# Altium PCB EDA-03518-V3-0_pcb.pcbdoc (part 6 of 14)
Units mm, origin at the board's own origin, x right, y up, seen from the top; angles counter-clockwise.
Board outline 220 x 230 mm, 8 copper layers (Top Layer, L2P, L3, L4P, L5P, L6, L7P, Bottom Layer), stack 2.18 mm thick; 1190 components, 1445 nets, 5955 pads, 2149 vias.
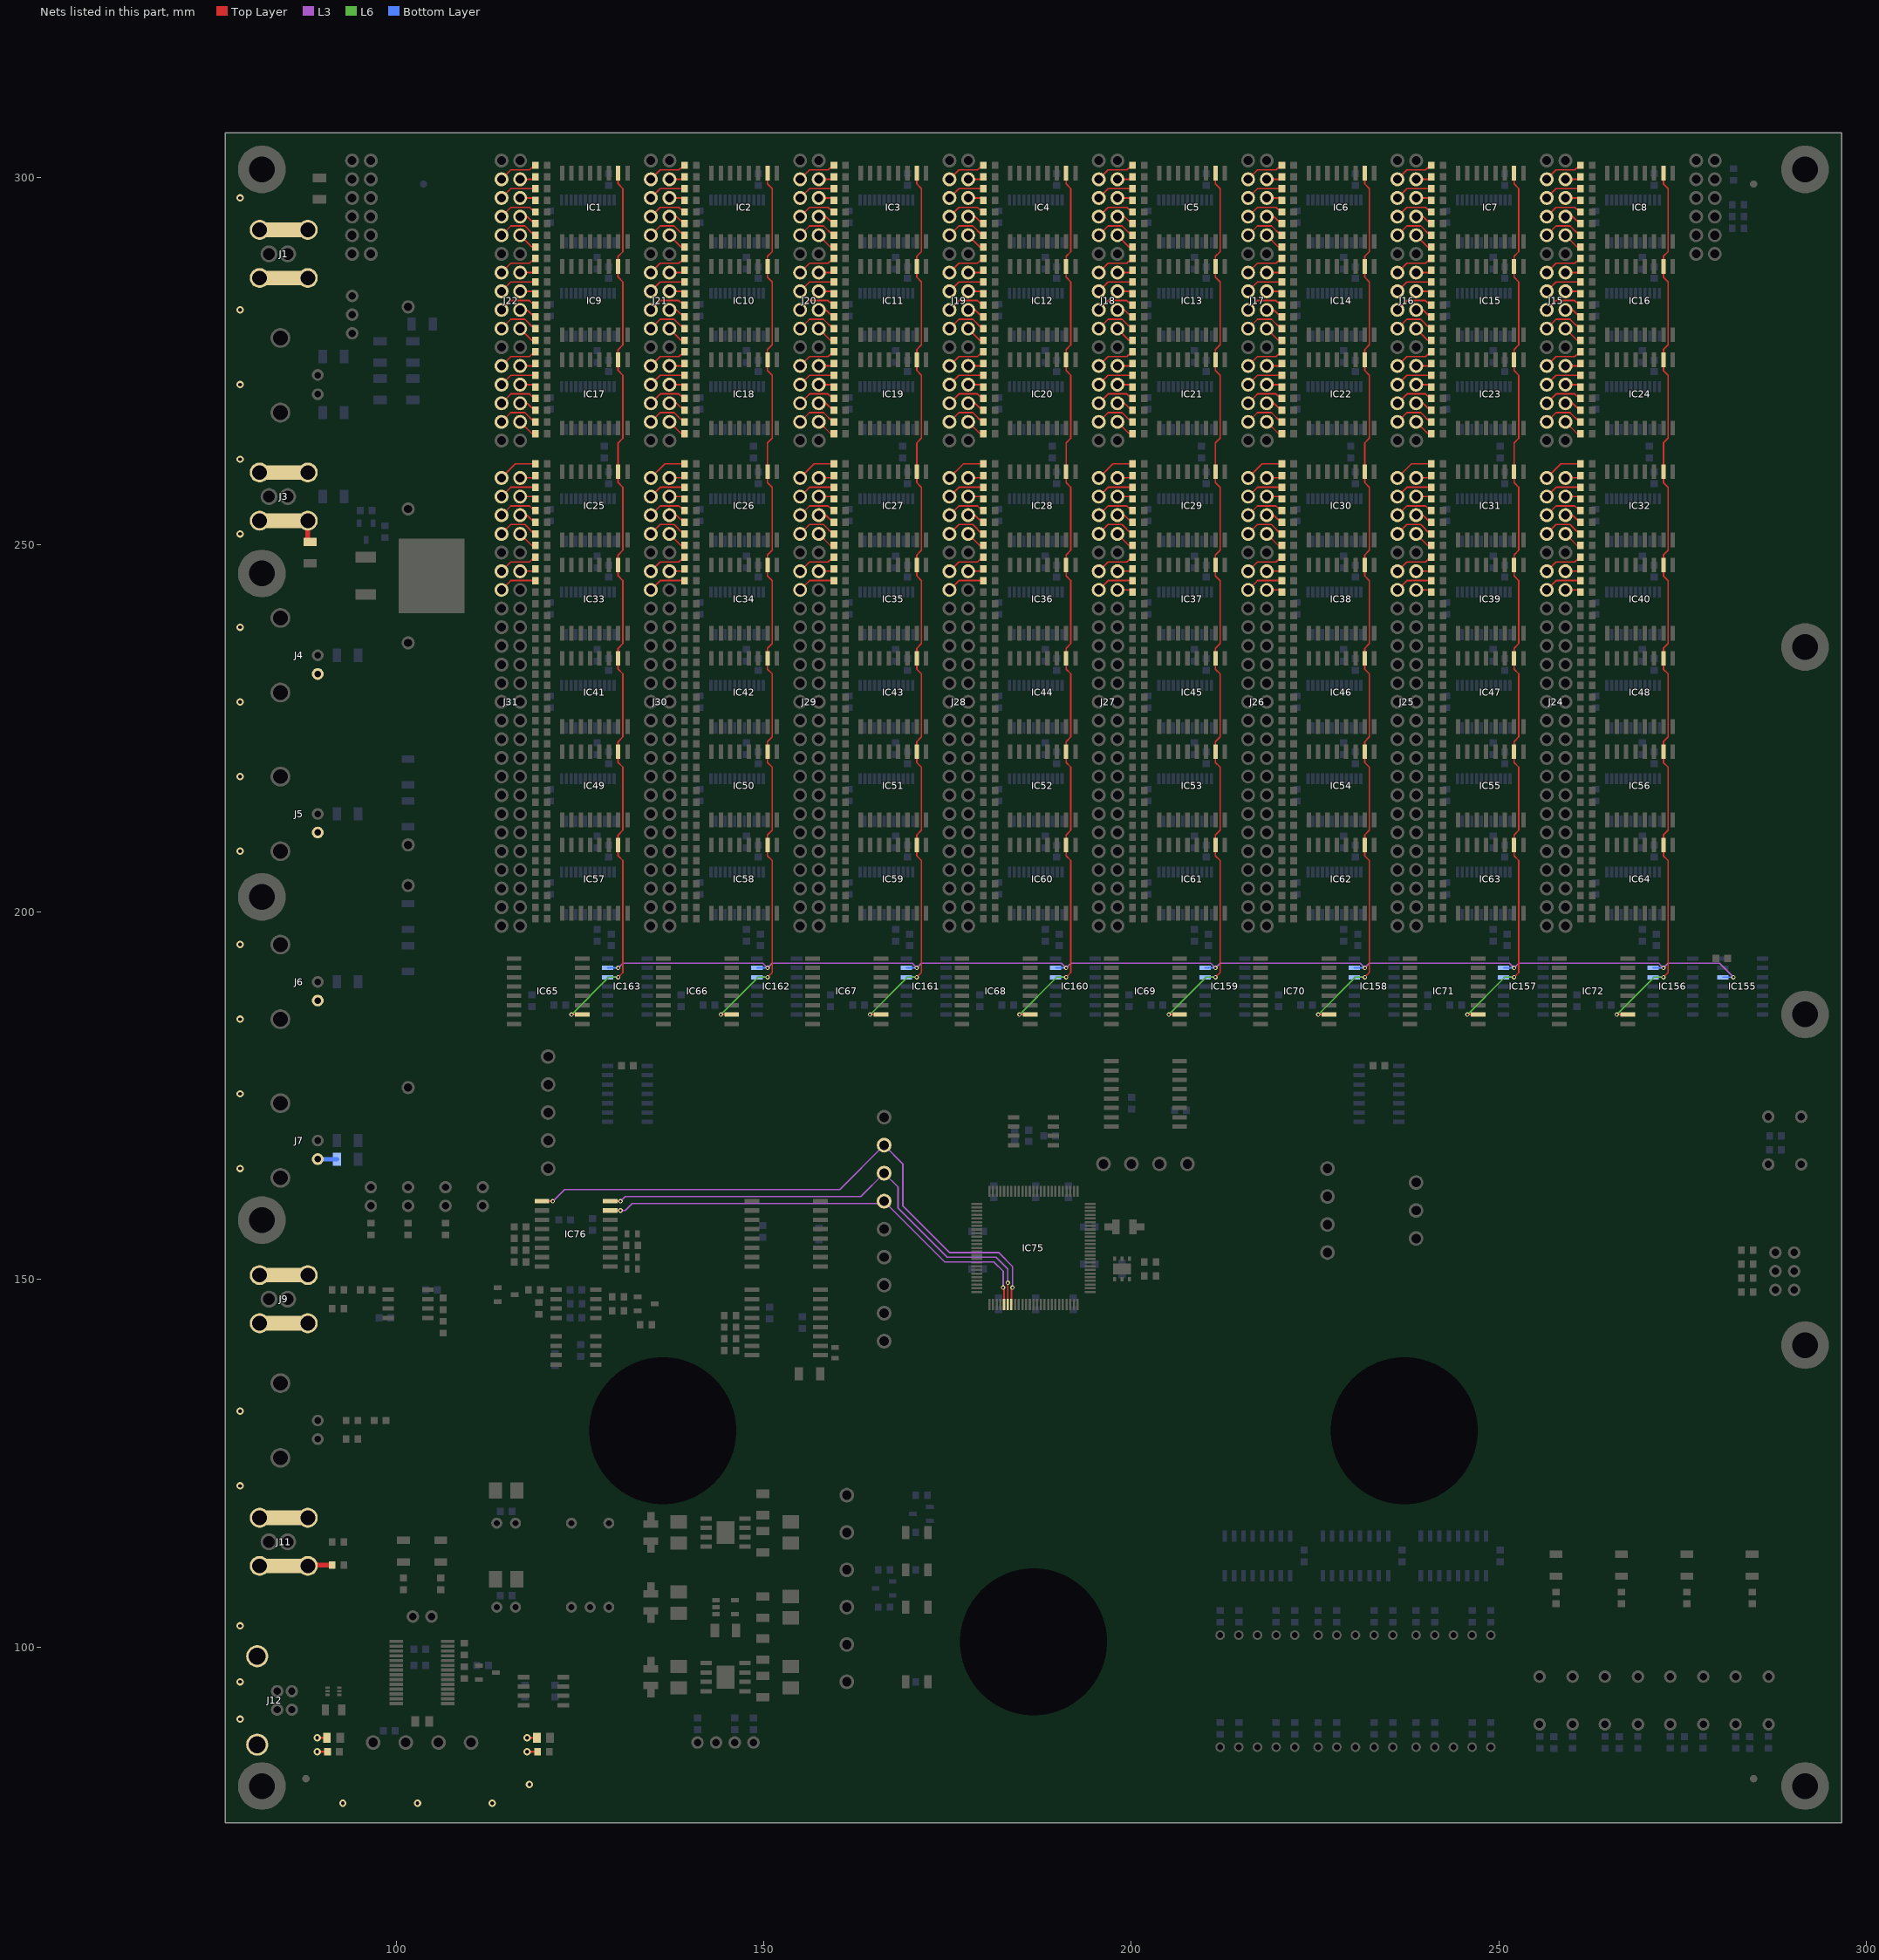
[diagram p12: the nets of this part, all layers, seen from the top]

## Via types
v1: diameter 0.6, hole 0.3, Top Layer to Bottom Layer, tented both sides, 1995 vias
v2: diameter 1, hole 0.5, Top Layer to Bottom Layer, tented both sides, 154 vias

## Nets (pads, with @x,y where several pads share a name; then routed paths per layer and width w, separated by ;. In a path a pad name is that pad's centre, name@x,y a point inside that pad or via, vN(x,y) a via of type N, cw(c..) or ccw(c..) an arc to the next point about the centre after c; other vN are vias at no path point) (continued)
C34_5: J27.37 R287.1 | length 2.2
  Top Layer w0.203: J27.37@198.12,243.84 199.86,243.84 R287.1@200.177,243.522
C34_6: J26.37 R288.1 | length 2.2
  Top Layer w0.203: J26.37@218.44,243.84 220.18,243.84 R288.1@220.497,243.522
C34_7: J25.37 R289.1 | length 2.2
  Top Layer w0.203: J25.37@238.76,243.84 240.5,243.84 R289.1@240.817,243.522
C34_8: J24.37 R290.1 | length 2.2
  Top Layer w0.203: J24.37@259.08,243.84 260.82,243.84 R290.1@261.137,243.522
C35_1: J31.38 R275.1 | length 5.1
  Top Layer w0.203: J31.38@114.3,243.84 115.57,245.11 R275.1@118.897,245.11
C35_2: J30.38 R276.1 | length 5.1
  Top Layer w0.203: J30.38@134.62,243.84 135.89,245.11 R276.1@139.217,245.11
C35_3: J29.38 R277.1 | length 5.1
  Top Layer w0.203: J29.38@154.94,243.84 156.21,245.11 R277.1@159.537,245.11
C35_4: J28.38 R278.1 | length 5.1
  Top Layer w0.203: J28.38@175.26,243.84 176.53,245.11 R278.1@179.857,245.11
C35_5: J27.38 R279.1 | length 5.1
  Top Layer w0.203: J27.38@195.58,243.84 196.85,245.11 R279.1@200.177,245.11
C35_6: J26.38 R280.1 | length 5.1
  Top Layer w0.203: J26.38@215.9,243.84 217.17,245.11 R280.1@220.497,245.11
C35_7: J25.38 R281.1 | length 5.1
  Top Layer w0.203: J25.38@236.22,243.84 237.49,245.11 R281.1@240.817,245.11
C35_8: J24.38 R282.1 | length 5.1
  Top Layer w0.203: J24.38@256.54,243.84 257.81,245.11 R282.1@261.137,245.11
C36_1: J31.39 R267.1 | length 2.2
  Top Layer w0.203: J31.39@116.84,246.38 118.58,246.38 R267.1@118.897,246.697
C36_2: J30.39 R268.1 | length 2.2
  Top Layer w0.203: J30.39@137.16,246.38 138.9,246.38 R268.1@139.217,246.697
C36_3: J29.39 R269.1 | length 2.2
  Top Layer w0.203: J29.39@157.48,246.38 159.22,246.38 R269.1@159.537,246.697
C36_4: J28.39 R270.1 | length 2.2
  Top Layer w0.203: J28.39@177.8,246.38 179.54,246.38 R270.1@179.857,246.697
C36_5: J27.39 R271.1 | length 2.2
  Top Layer w0.203: J27.39@198.12,246.38 199.86,246.38 R271.1@200.177,246.697
C36_6: J26.39 R272.1 | length 2.2
  Top Layer w0.203: J26.39@218.44,246.38 220.18,246.38 R272.1@220.497,246.697
C36_7: J25.39 R273.1 | length 2.2
  Top Layer w0.203: J25.39@238.76,246.38 240.5,246.38 R273.1@240.817,246.697
C36_8: J24.39 R274.1 | length 2.2
  Top Layer w0.203: J24.39@259.08,246.38 260.82,246.38 R274.1@261.137,246.697
C37_1: J31.40 R259.1 | length 5.4
  Top Layer w0.203: J31.40@114.3,246.38 115.57,247.65 118.11,247.65 118.745,248.285 R259.1@118.897,248.285
C37_2: J30.40 R260.1 | length 5.4
  Top Layer w0.203: J30.40@134.62,246.38 135.89,247.65 138.43,247.65 139.065,248.285 R260.1@139.217,248.285
C37_3: J29.40 R261.1 | length 5.4
  Top Layer w0.203: J29.40@154.94,246.38 156.21,247.65 158.75,247.65 159.385,248.285 R261.1@159.537,248.285
C37_4: J28.40 R262.1 | length 5.4
  Top Layer w0.203: J28.40@175.26,246.38 176.53,247.65 179.07,247.65 179.705,248.285 R262.1@179.857,248.285
C37_5: J27.40 R263.1 | length 5.4
  Top Layer w0.203: J27.40@195.58,246.38 196.85,247.65 199.39,247.65 200.025,248.285 R263.1@200.177,248.285
C37_6: J26.40 R264.1 | length 5.4
  Top Layer w0.203: J26.40@215.9,246.38 217.17,247.65 219.71,247.65 220.345,248.285 R264.1@220.497,248.285
C37_7: J25.40 R265.1 | length 5.4
  Top Layer w0.203: J25.40@236.22,246.38 237.49,247.65 240.03,247.65 240.665,248.285 R265.1@240.817,248.285
C37_8: J24.40 R266.1 | length 5.4
  Top Layer w0.203: J24.40@256.54,246.38 257.81,247.65 260.35,247.65 260.985,248.285 R266.1@261.137,248.285
C40_1: J31.43 R251.1 | length 2.7
  Top Layer w0.203: J31.43@116.84,251.46 118.428,249.873 R251.1@118.897,249.873
C40_2: J30.43 R252.1 | length 2.7
  Top Layer w0.203: J30.43@137.16,251.46 138.748,249.873 R252.1@139.217,249.873
C40_3: J29.43 R253.1 | length 2.7
  Top Layer w0.203: J29.43@157.48,251.46 159.068,249.873 R253.1@159.537,249.873
C40_4: J28.43 R254.1 | length 2.7
  Top Layer w0.203: J28.43@177.8,251.46 179.388,249.873 R254.1@179.857,249.873
C40_5: J27.43 R255.1 | length 2.7
  Top Layer w0.203: J27.43@198.12,251.46 199.708,249.873 R255.1@200.177,249.873
C40_6: J26.43 R256.1 | length 2.7
  Top Layer w0.203: J26.43@218.44,251.46 220.028,249.873 R256.1@220.497,249.873
C40_7: J25.43 R257.1 | length 2.7
  Top Layer w0.203: J25.43@238.76,251.46 240.348,249.873 R257.1@240.817,249.873
C40_8: J24.43 R258.1 | length 2.7
  Top Layer w0.203: J24.43@259.08,251.46 260.668,249.873 R258.1@261.137,249.873
C41_1: J31.44 R242.1 | length 5.6
  Top Layer w0.203: J31.44@114.3,251.46 115.57,252.73 117.475,252.73 118.745,251.46 R242.1@118.897,251.46
C41_2: J30.44 R243.1 | length 5.6
  Top Layer w0.203: J30.44@134.62,251.46 135.89,252.73 137.795,252.73 139.065,251.46 R243.1@139.217,251.46
C41_3: J29.44 R244.1 | length 5.6
  Top Layer w0.203: J29.44@154.94,251.46 156.21,252.73 158.115,252.73 159.385,251.46 R244.1@159.537,251.46
C41_4: J28.44 R245.1 | length 5.6
  Top Layer w0.203: J28.44@175.26,251.46 176.53,252.73 178.435,252.73 179.705,251.46 R245.1@179.857,251.46
C41_5: J27.44 R246.1 | length 5.6
  Top Layer w0.203: J27.44@195.58,251.46 196.85,252.73 198.755,252.73 200.025,251.46 R246.1@200.177,251.46
C41_6: J26.44 R247.1 | length 5.6
  Top Layer w0.203: J26.44@215.9,251.46 217.17,252.73 219.075,252.73 220.345,251.46 R247.1@220.497,251.46
C41_7: J25.44 R248.1 | length 5.6
  Top Layer w0.203: J25.44@236.22,251.46 237.49,252.73 239.395,252.73 240.665,251.46 R248.1@240.817,251.46
C41_8: J24.44 R249.1 | length 5.6
  Top Layer w0.203: J24.44@256.54,251.46 257.81,252.73 259.715,252.73 260.985,251.46 R249.1@261.137,251.46
C42_1: J31.45 R234.1 | length 2.5
  Top Layer w0.203: J31.45@116.84,254 117.792,254 118.745,253.047 R234.1@118.897,253.047
C42_2: J30.45 R235.1 | length 2.5
  Top Layer w0.203: J30.45@137.16,254 138.112,254 139.065,253.047 R235.1@139.217,253.047
C42_3: J29.45 R236.1 | length 2.5
  Top Layer w0.203: J29.45@157.48,254 158.432,254 159.385,253.047 R236.1@159.537,253.047
C42_4: J28.45 R237.1 | length 2.5
  Top Layer w0.203: J28.45@177.8,254 178.752,254 179.705,253.047 R237.1@179.857,253.047
C42_5: J27.45 R238.1 | length 2.5
  Top Layer w0.203: J27.45@198.12,254 199.072,254 200.025,253.047 R238.1@200.177,253.047
C42_6: J26.45 R239.1 | length 2.5
  Top Layer w0.203: J26.45@218.44,254 219.392,254 220.345,253.047 R239.1@220.497,253.047
C42_7: J25.45 R240.1 | length 2.5
  Top Layer w0.203: J25.45@238.76,254 239.712,254 240.665,253.047 R240.1@240.817,253.047
C42_8: J24.45 R241.1 | length 2.5
  Top Layer w0.203: J24.45@259.08,254 260.032,254 260.985,253.047 R241.1@261.137,253.047
C43_1: J31.46 R226.1 | length 5.4
  Top Layer w0.203: J31.46@114.3,254 115.57,255.27 118.11,255.27 118.745,254.635 R226.1@118.897,254.635
C43_2: J30.46 R227.1 | length 5.4
  Top Layer w0.203: J30.46@134.62,254 135.89,255.27 138.43,255.27 139.065,254.635 R227.1@139.217,254.635
C43_3: J29.46 R228.1 | length 5.4
  Top Layer w0.203: J29.46@154.94,254 156.21,255.27 158.75,255.27 159.385,254.635 R228.1@159.537,254.635
C43_4: J28.46 R229.1 | length 5.4
  Top Layer w0.203: J28.46@175.26,254 176.53,255.27 179.07,255.27 179.705,254.635 R229.1@179.857,254.635
C43_5: J27.46 R230.1 | length 5.4
  Top Layer w0.203: J27.46@195.58,254 196.85,255.27 199.39,255.27 200.025,254.635 R230.1@200.177,254.635
C43_6: J26.46 R231.1 | length 5.4
  Top Layer w0.203: J26.46@215.9,254 217.17,255.27 219.71,255.27 220.345,254.635 R231.1@220.497,254.635
C43_7: J25.46 R232.1 | length 5.4
  Top Layer w0.203: J25.46@236.22,254 237.49,255.27 240.03,255.27 240.665,254.635 R232.1@240.817,254.635
C43_8: J24.46 R233.1 | length 5.4
  Top Layer w0.203: J24.46@256.54,254 257.81,255.27 260.35,255.27 260.985,254.635 R233.1@261.137,254.635
C44_1: J31.47 R218.1 | length 2.2
  Top Layer w0.203: J31.47@116.84,256.54 118.58,256.54 R218.1@118.897,256.222
C44_2: J30.47 R219.1 | length 2.2
  Top Layer w0.203: J30.47@137.16,256.54 138.9,256.54 R219.1@139.217,256.222
C44_3: J29.47 R220.1 | length 2.2
  Top Layer w0.203: J29.47@157.48,256.54 159.22,256.54 R220.1@159.537,256.222
C44_4: J28.47 R221.1 | length 2.2
  Top Layer w0.203: J28.47@177.8,256.54 179.54,256.54 R221.1@179.857,256.222
C44_5: J27.47 R222.1 | length 2.2
  Top Layer w0.203: J27.47@198.12,256.54 199.86,256.54 R222.1@200.177,256.222
C44_6: J26.47 R223.1 | length 2.2
  Top Layer w0.203: J26.47@218.44,256.54 220.18,256.54 R223.1@220.497,256.222
C44_7: J25.47 R224.1 | length 2.2
  Top Layer w0.203: J25.47@238.76,256.54 240.5,256.54 R224.1@240.817,256.222
C44_8: J24.47 R225.1 | length 2.2
  Top Layer w0.203: J24.47@259.08,256.54 260.82,256.54 R225.1@261.137,256.222
C45_1: J31.48 R210.1 | length 5.1
  Top Layer w0.203: J31.48@114.3,256.54 115.57,257.81 R210.1@118.897,257.81
C45_2: J30.48 R211.1 | length 5.1
  Top Layer w0.203: J30.48@134.62,256.54 135.89,257.81 R211.1@139.217,257.81
C45_3: J29.48 R212.1 | length 5.1
  Top Layer w0.203: J29.48@154.94,256.54 156.21,257.81 R212.1@159.537,257.81
C45_4: J28.48 R213.1 | length 5.1
  Top Layer w0.203: J28.48@175.26,256.54 176.53,257.81 R213.1@179.857,257.81
C45_5: J27.48 R214.1 | length 5.1
  Top Layer w0.203: J27.48@195.58,256.54 196.85,257.81 R214.1@200.177,257.81
C45_6: J26.48 R215.1 | length 5.1
  Top Layer w0.203: J26.48@215.9,256.54 217.17,257.81 R215.1@220.497,257.81
C45_7: J25.48 R216.1 | length 5.1
  Top Layer w0.203: J25.48@236.22,256.54 237.49,257.81 R216.1@240.817,257.81
C45_8: J24.48 R217.1 | length 5.1
  Top Layer w0.203: J24.48@256.54,256.54 257.81,257.81 R217.1@261.137,257.81
C46_1: J31.49 R202.1 | length 2.2
  Top Layer w0.203: J31.49@116.84,259.08 118.58,259.08 R202.1@118.897,259.397
C46_2: J30.49 R203.1 | length 2.2
  Top Layer w0.203: J30.49@137.16,259.08 138.9,259.08 R203.1@139.217,259.397
C46_3: J29.49 R204.1 | length 2.2
  Top Layer w0.203: J29.49@157.48,259.08 159.22,259.08 R204.1@159.537,259.397
C46_4: J28.49 R205.1 | length 2.2
  Top Layer w0.203: J28.49@177.8,259.08 179.54,259.08 R205.1@179.857,259.397
C46_5: J27.49 R206.1 | length 2.2
  Top Layer w0.203: J27.49@198.12,259.08 199.86,259.08 R206.1@200.177,259.397
C46_6: J26.49 R207.1 | length 2.2
  Top Layer w0.203: J26.49@218.44,259.08 220.18,259.08 R207.1@220.497,259.397
C46_7: J25.49 R208.1 | length 2.2
  Top Layer w0.203: J25.49@238.76,259.08 240.5,259.08 R208.1@240.817,259.397
C46_8: J24.49 R209.1 | length 2.2
  Top Layer w0.203: J24.49@259.08,259.08 260.82,259.08 R209.1@261.137,259.397
C47_1: J31.50 R194.1 | length 5.4
  Top Layer w0.203: J31.50@114.3,259.08 116.205,260.985 R194.1@118.897,260.985
C47_2: J30.50 R195.1 | length 5.4
  Top Layer w0.203: J30.50@134.62,259.08 136.525,260.985 R195.1@139.217,260.985
C47_3: J29.50 R196.1 | length 5.4
  Top Layer w0.203: J29.50@154.94,259.08 156.845,260.985 R196.1@159.537,260.985
C47_4: J28.50 R197.1 | length 5.4
  Top Layer w0.203: J28.50@175.26,259.08 177.165,260.985 R197.1@179.857,260.985
C47_5: J27.50 R198.1 | length 5.4
  Top Layer w0.203: J27.50@195.58,259.08 197.485,260.985 R198.1@200.177,260.985
C47_6: J26.50 R199.1 | length 5.4
  Top Layer w0.203: J26.50@215.9,259.08 217.805,260.985 R199.1@220.497,260.985
C47_7: J25.50 R200.1 | length 5.4
  Top Layer w0.203: J25.50@236.22,259.08 238.125,260.985 R200.1@240.817,260.985
C47_8: J24.50 R201.1 | length 5.4
  Top Layer w0.203: J24.50@256.54,259.08 258.445,260.985 R201.1@261.137,260.985
C50_1: J22.3 R186.1 | length 2.7
  Top Layer w0.203: J22.3@116.84,266.7 118.428,265.113 R186.1@118.897,265.113
C50_2: J21.3 R187.1 | length 2.7
  Top Layer w0.203: J21.3@137.16,266.7 138.748,265.113 R187.1@139.217,265.113
C50_3: J20.3 R188.1 | length 2.7
  Top Layer w0.203: J20.3@157.48,266.7 159.068,265.113 R188.1@159.537,265.113
C50_4: J19.3 R189.1 | length 2.7
  Top Layer w0.203: J19.3@177.8,266.7 179.388,265.113 R189.1@179.857,265.113
C50_5: J18.3 R190.1 | length 2.7
  Top Layer w0.203: J18.3@198.12,266.7 199.708,265.113 R190.1@200.177,265.113
C50_6: J17.3 R191.1 | length 2.7
  Top Layer w0.203: J17.3@218.44,266.7 220.028,265.113 R191.1@220.497,265.113
C50_7: J16.3 R192.1 | length 2.7
  Top Layer w0.203: J16.3@238.76,266.7 240.348,265.113 R192.1@240.817,265.113
C50_8: J15.3 R193.1 | length 2.7
  Top Layer w0.203: J15.3@259.08,266.7 260.668,265.113 R193.1@261.137,265.113
C51_1: J22.4 R178.1 | length 5.6
  Top Layer w0.203: J22.4@114.3,266.7 115.57,267.97 117.475,267.97 118.745,266.7 R178.1@118.897,266.7
C51_2: J21.4 R179.1 | length 5.6
  Top Layer w0.203: J21.4@134.62,266.7 135.89,267.97 137.795,267.97 139.065,266.7 R179.1@139.217,266.7
C51_3: J20.4 R180.1 | length 5.6
  Top Layer w0.203: J20.4@154.94,266.7 156.21,267.97 158.115,267.97 159.385,266.7 R180.1@159.537,266.7
C51_4: J19.4 R181.1 | length 5.6
  Top Layer w0.203: J19.4@175.26,266.7 176.53,267.97 178.435,267.97 179.705,266.7 R181.1@179.857,266.7
C51_5: J18.4 R182.1 | length 5.6
  Top Layer w0.203: J18.4@195.58,266.7 196.85,267.97 198.755,267.97 200.025,266.7 R182.1@200.177,266.7
C51_6: J17.4 R183.1 | length 5.6
  Top Layer w0.203: J17.4@215.9,266.7 217.17,267.97 219.075,267.97 220.345,266.7 R183.1@220.497,266.7
C51_7: J16.4 R184.1 | length 5.6
  Top Layer w0.203: J16.4@236.22,266.7 237.49,267.97 239.395,267.97 240.665,266.7 R184.1@240.817,266.7
C51_8: J15.4 R185.1 | length 5.6
  Top Layer w0.203: J15.4@256.54,266.7 257.81,267.97 259.715,267.97 260.985,266.7 R185.1@261.137,266.7
C52_1: J22.5 R170.1 | length 2.5
  Top Layer w0.203: J22.5@116.84,269.24 117.792,269.24 118.745,268.287 R170.1@118.897,268.287
C52_2: J21.5 R171.1 | length 2.5
  Top Layer w0.203: J21.5@137.16,269.24 138.112,269.24 139.065,268.287 R171.1@139.217,268.287
C52_3: J20.5 R172.1 | length 2.5
  Top Layer w0.203: J20.5@157.48,269.24 158.432,269.24 159.385,268.287 R172.1@159.537,268.287
C52_4: J19.5 R173.1 | length 2.5
  Top Layer w0.203: J19.5@177.8,269.24 178.752,269.24 179.705,268.287 R173.1@179.857,268.287
C52_5: J18.5 R174.1 | length 2.5
  Top Layer w0.203: J18.5@198.12,269.24 199.072,269.24 200.025,268.287 R174.1@200.177,268.287
C52_6: J17.5 R175.1 | length 2.5
  Top Layer w0.203: J17.5@218.44,269.24 219.392,269.24 220.345,268.287 R175.1@220.497,268.287
C52_7: J16.5 R176.1 | length 2.5
  Top Layer w0.203: J16.5@238.76,269.24 239.712,269.24 240.665,268.287 R176.1@240.817,268.287
C52_8: J15.5 R177.1 | length 2.5
  Top Layer w0.203: J15.5@259.08,269.24 260.032,269.24 260.985,268.287 R177.1@261.137,268.287
C53_1: J22.6 R162.1 | length 5.4
  Top Layer w0.203: J22.6@114.3,269.24 115.57,270.51 118.11,270.51 118.745,269.875 R162.1@118.897,269.875
C53_2: J21.6 R163.1 | length 5.4
  Top Layer w0.203: J21.6@134.62,269.24 135.89,270.51 138.43,270.51 139.065,269.875 R163.1@139.217,269.875
C53_3: J20.6 R164.1 | length 5.4
  Top Layer w0.203: J20.6@154.94,269.24 156.21,270.51 158.75,270.51 159.385,269.875 R164.1@159.537,269.875
C53_4: J19.6 R165.1 | length 5.4
  Top Layer w0.203: J19.6@175.26,269.24 176.53,270.51 179.07,270.51 179.705,269.875 R165.1@179.857,269.875
C53_5: J18.6 R166.1 | length 5.4
  Top Layer w0.203: J18.6@195.58,269.24 196.85,270.51 199.39,270.51 200.025,269.875 R166.1@200.177,269.875
C53_6: J17.6 R167.1 | length 5.4
  Top Layer w0.203: J17.6@215.9,269.24 217.17,270.51 219.71,270.51 220.345,269.875 R167.1@220.497,269.875
C53_7: J16.6 R168.1 | length 5.4
  Top Layer w0.203: J16.6@236.22,269.24 237.49,270.51 240.03,270.51 240.665,269.875 R168.1@240.817,269.875
C53_8: J15.6 R169.1 | length 5.4
  Top Layer w0.203: J15.6@256.54,269.24 257.81,270.51 260.35,270.51 260.985,269.875 R169.1@261.137,269.875
C54_1: J22.7 R154.1 | length 2.2
  Top Layer w0.203: J22.7@116.84,271.78 118.58,271.78 R154.1@118.897,271.462
C54_2: J21.7 R155.1 | length 2.2
  Top Layer w0.203: J21.7@137.16,271.78 138.9,271.78 R155.1@139.217,271.462
C54_3: J20.7 R156.1 | length 2.2
  Top Layer w0.203: J20.7@157.48,271.78 159.22,271.78 R156.1@159.537,271.462
C54_4: J19.7 R157.1 | length 2.2
  Top Layer w0.203: J19.7@177.8,271.78 179.54,271.78 R157.1@179.857,271.462
C54_5: J18.7 R158.1 | length 2.2
  Top Layer w0.203: J18.7@198.12,271.78 199.86,271.78 R158.1@200.177,271.462
C54_6: J17.7 R159.1 | length 2.2
  Top Layer w0.203: J17.7@218.44,271.78 220.18,271.78 R159.1@220.497,271.462
C54_7: J16.7 R160.1 | length 2.2
  Top Layer w0.203: J16.7@238.76,271.78 240.5,271.78 R160.1@240.817,271.462
C54_8: J15.7 R161.1 | length 2.2
  Top Layer w0.203: J15.7@259.08,271.78 260.82,271.78 R161.1@261.137,271.462
C55_1: J22.8 R146.1 | length 5.1
  Top Layer w0.203: J22.8@114.3,271.78 115.57,273.05 R146.1@118.897,273.05
C55_2: J21.8 R147.1 | length 5.1
  Top Layer w0.203: J21.8@134.62,271.78 135.89,273.05 R147.1@139.217,273.05
C55_3: J20.8 R148.1 | length 5.1
  Top Layer w0.203: J20.8@154.94,271.78 156.21,273.05 R148.1@159.537,273.05
C55_4: J19.8 R149.1 | length 5.1
  Top Layer w0.203: J19.8@175.26,271.78 176.53,273.05 R149.1@179.857,273.05
C55_5: J18.8 R150.1 | length 5.1
  Top Layer w0.203: J18.8@195.58,271.78 196.85,273.05 R150.1@200.177,273.05
C55_6: J17.8 R151.1 | length 5.1
  Top Layer w0.203: J17.8@215.9,271.78 217.17,273.05 R151.1@220.497,273.05
C55_7: J16.8 R152.1 | length 5.1
  Top Layer w0.203: J16.8@236.22,271.78 237.49,273.05 R152.1@240.817,273.05
C55_8: J15.8 R153.1 | length 5.1
  Top Layer w0.203: J15.8@256.54,271.78 257.81,273.05 R153.1@261.137,273.05
C56_1: J22.9 R138.1 | length 2.2
  Top Layer w0.203: J22.9@116.84,274.32 118.58,274.32 R138.1@118.897,274.637
C56_2: J21.9 R139.1 | length 2.2
  Top Layer w0.203: J21.9@137.16,274.32 138.9,274.32 R139.1@139.217,274.637
C56_3: J20.9 R140.1 | length 2.2
  Top Layer w0.203: J20.9@157.48,274.32 159.22,274.32 R140.1@159.537,274.637
C56_4: J19.9 R141.1 | length 2.2
  Top Layer w0.203: J19.9@177.8,274.32 179.54,274.32 R141.1@179.857,274.637
C56_5: J18.9 R142.1 | length 2.2
  Top Layer w0.203: J18.9@198.12,274.32 199.86,274.32 R142.1@200.177,274.637
C56_6: J17.9 R143.1 | length 2.2
  Top Layer w0.203: J17.9@218.44,274.32 220.18,274.32 R143.1@220.497,274.637
C56_7: J16.9 R144.1 | length 2.2
  Top Layer w0.203: J16.9@238.76,274.32 240.5,274.32 R144.1@240.817,274.637
C56_8: J15.9 R145.1 | length 2.2
  Top Layer w0.203: J15.9@259.08,274.32 260.82,274.32 R145.1@261.137,274.637
C57_1: J22.10 R130.1 | length 5.4
  Top Layer w0.203: J22.10@114.3,274.32 115.57,275.59 118.11,275.59 118.745,276.225 R130.1@118.897,276.225
C57_2: J21.10 R131.1 | length 5.4
  Top Layer w0.203: J21.10@134.62,274.32 135.89,275.59 138.43,275.59 139.065,276.225 R131.1@139.217,276.225
C57_3: J20.10 R132.1 | length 5.4
  Top Layer w0.203: J20.10@154.94,274.32 156.21,275.59 158.75,275.59 159.385,276.225 R132.1@159.537,276.225